# Altium PCB DIO-BNC.PCBDOC (part 3 of 3)
Units mil, origin at the board's own origin, x right, y up, seen from the top; angles counter-clockwise.
Board outline 2496.06 x 3937 mil, 4 copper layers (TopLayer, Internal Plane 2, Internal Plane 1, BottomLayer), stack 65.476 mil thick; 196 components, 123 nets, 666 pads, 397 vias.
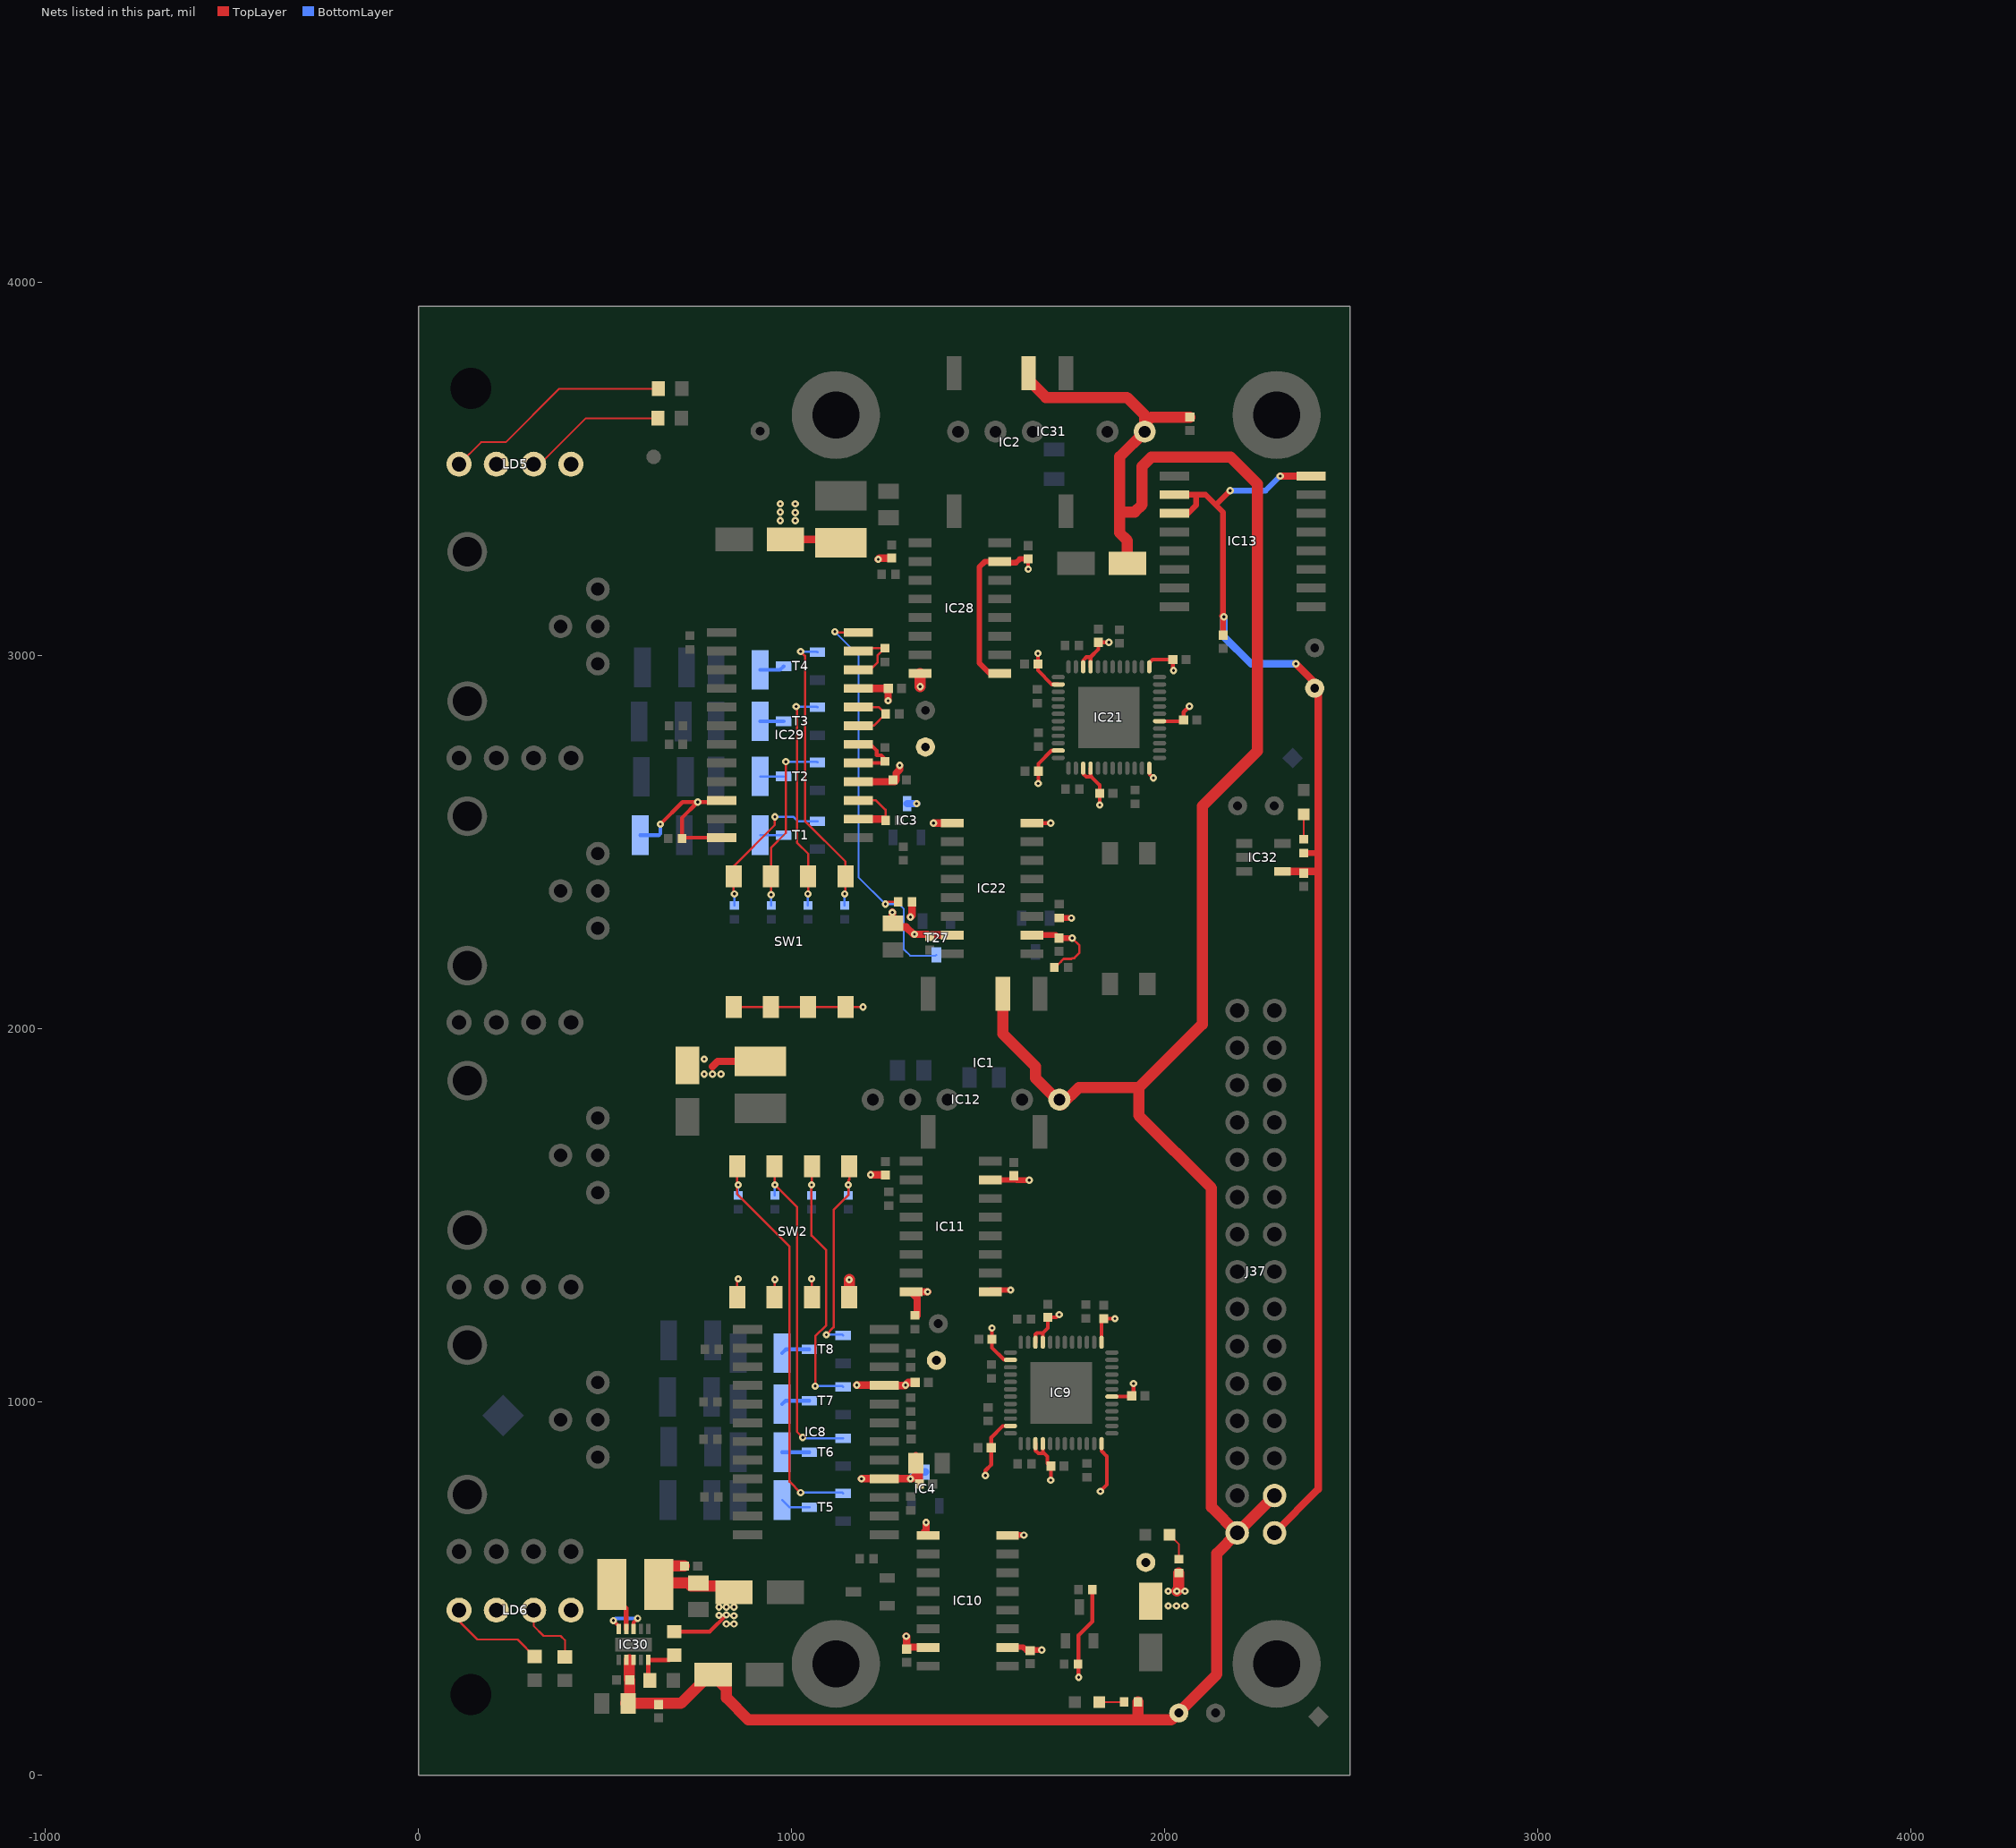
[diagram p5: the nets of this part, all layers, seen from the top]

## Via types
v1: diameter 19.68, hole 7.87, TopLayer to BottomLayer, tented both sides, 366 vias
v2: diameter 23.62, hole 11.81, TopLayer to BottomLayer, tented both sides, 31 vias

## Nets (pads, with @x,y where several pads share a name; then routed paths per layer and width w, separated by ;. In a path a pad name is that pad's centre, name@x,y a point inside that pad or via, vN(x,y) a via of type N, cw(c..) or ccw(c..) an arc to the next point about the centre after c; other vN are vias at no path point) (continued)
NetIC29_10: IC29.10 IC29.12 R13.2 R140.2 | length 493.7
  TopLayer w10: v1(648,2549) 707.27,2608.27 v1(748.03,2608.27) ; IC29.12@812.29,2512.89 707.87,2512.89 R140.2@705.87,2510.89 705.87,2566.1 v1(748.03,2608.27) ; IC29.10@812.29,2612.89 807.67,2608.27 v1(748.03,2608.27)
  BottomLayer w10: R13.2@593.94,2519.68 643.69,2519.68 648,2524 v1(648,2549)
NetIC29_14: IC29.14 IC29.15 R26.1 | length 193.1
  TopLayer w6: IC29.15@1183.43,2617.89 IC29.15@1178.43,2612.89 1225.69,2612.89 1251.18,2587.4 R26.1@1251.18,2559.06
  TopLayer w20: IC29.14@1178.43,2562.89 1247.35,2562.89 R26.1@1251.18,2559.06
NetIC29_17: IC29.17 IC29.18 R27.1 | length 174.9
  TopLayer w10: IC29.17@1178.43,2712.89 1245.17,2712.89 R27.1@1250,2717.72 1250,2723.86 1240.55,2733.31 1227.8,2733.31 1227.8,2746.06 1210.97,2762.89 IC29.18@1178.43,2762.89
NetIC29_19: IC29.19 IC29.20 R28.1 | length 169
  TopLayer w6: IC29.20@1178.43,2862.89 1232.78,2862.89 R28.1@1251.18,2844.49 1219.58,2812.89 IC29.19@1178.43,2812.89 IC29.19@1180.43,2814.89
NetIC29_22: IC29.22 IC29.23 R29.1 | length 180.4
  TopLayer w6: IC29.22@1178.43,2962.89 1210.4,2962.89 1229.8,2982.28 1229.8,3000.98 R29.1@1249.29,3020.47 ; IC29.23@1178.43,3012.89 1201.87,3012.89 1209.45,3020.47 R29.1@1249.29,3020.47 ; R29.1@1250,3020.47 R29.1@1249.29,3020.47
NetIC29_24: IC29.24 R150.1 T27.3 | length 1145.4
  TopLayer w5: v1(1115.36,3064.89) 1117.36,3062.89 IC29.24@1178.43,3062.89 ; v1(1251,2335) 1257,2341 R150.1@1285.5,2341
  BottomLayer w5: v1(1115.36,3064.89) 1178.92,3001.33 1178.92,2407.08 v1(1251,2335) 1287.05,2335 1300.66,2321.39 1300.66,2213.12 1317.12,2196.66 1385.63,2196.66 T27.3@1387.8,2198.82
NetIC30_5: IC30.5 R167.1 R173.2 | length 131.3
  TopLayer w12: R173.2@619.5,255 615.37,259.13 IC30.5@615.37,309.66 672.16,309.66 R167.1@685,322.5
NetIC30_9: IC30.9 L1.1 | length 89.6
  TopLayer w13: L1.1@523.01,450 553.94,450 556.31,447.62 IC30.9@556.31,392.34
NetLD4_2: LD4.2 R6.1 | length 67.1
  TopLayer w5: LD4.2@1823.82,196.85 R6.1@1890.94,196.85
NetLD5_1: LD5.1 R134.1 | length 618
  TopLayer w5: LD5.1@108.27,3513.78 167.32,3572.83 233.83,3572.83 377,3716 R134.1@642.5,3716
NetLD5_3: LD5.3 R135.1 | length 384.3
  TopLayer w5: LD5.3@308.27,3513.78 324.8,3513.78 448.02,3637 R135.1@641.5,3637
NetLD6_1: LD6.1 R153.1 | length 271.6
  TopLayer w5: LD6.1@108.27,442.91 108.27,413.39 157.48,364.17 265.32,364.17 R153.1@311,318.5
NetLD6_3: LD6.3 R154.1 | length 186.8
  TopLayer w5: LD6.3@308.27,442.91 308.27,400.61 334.86,374.02 380.46,374.02 392,362.47 R154.1@392,317.5
NetLD7_2: LD7.2 R8.2 | length 75.5
  TopLayer w5: LD7.2@2012.56,644.76 2037.4,619.92 R8.2@2037.4,579.53
NetLD9_2: LD9.2 R10.2 | length 67.1
  TopLayer w5: R10.2@2372.05,2508.66 LD9.2@2372.05,2575.79
NetR139_1: R139.1 T1.3 | length 63
  BottomLayer w6: R139.1@915.35,2519.68 T1.3@978.35,2519.68
NetR142_1: R142.1 T2.3 | length 63
  BottomLayer w6: R142.1@915.35,2677.17 T2.3@978.35,2677.17
NetR145_1: R145.1 T3.3 | length 63
  BottomLayer w10: R145.1@915.35,2824.8 T3.3@978.35,2824.8
NetR148_1: R148.1 T4.3 | length 67.1
  BottomLayer w10: R148.1@915.35,2962.6 968.5,2962.6 T4.3@978.35,2972.44
NetR158_1: R158.1 T5.3 | length 81
  BottomLayer w6: R158.1@974.41,738.19 994.09,718.5 T5.3@1047.24,718.5
NetR161_1: R161.1 T6.3 | length 72.8
  BottomLayer w10: R161.1@974.41,866.14 T6.3@1047.24,866.14
NetR164_1: R164.1 T7.3 | length 76.5
  BottomLayer w10: R164.1@974.41,995 983.35,1003.94 T7.3@1047.24,1003.94
NetR168_1: R168.1 T8.3 | length 76.9
  BottomLayer w10: R168.1@974.41,1131.89 984.25,1141.73 T8.3@1047.24,1141.73
P3V3: B5.1 C14.2 C15.2 C16.2 C17.2 C18.1 C19.2 C20.2 C21.2 C22.2 C23.2 C24.2 C53.2 C54.2 C55.2 C56.2 C69.2 C70.2 C71.1 C72.2 C73.2 IC9.2 IC9.11 IC9.15 IC9.16 IC9.24 IC9.30 IC9.37 IC9.45 IC9.46 IC10.10 IC10.16 IC11.1 IC11.7 IC21.2 IC21.11 IC21.15 IC21.16 IC21.24 IC21.30 IC21.37 IC21.45 IC21.46 IC22.10 IC22.16 IC28.1 IC28.7 IC30.8 IC30.10 L1.2 LD5.2 LD5.4 LD6.2 LD6.4 R8.1 R136.2 R137.2 R155.2 R156.2 R167.2 | length 3665.1
  TopLayer w6: R137.2@1703.94,2165.35 1706.68,2165.35 1721.53,2180.2 1721.53,2180.87 1728.73,2188.08 1749.61,2188.08 1751.97,2190.44 1757.11,2190.44 1771.39,2204.72 1771.39,2224.04 v1(1751.72,2243.72)
  TopLayer w10: v1(522,415) 536.63,400.37 IC30.10@536.63,392.34 ; IC30.8@576,392.34 576,410 v1(587,421) ; R167.2@685,385.5 780.5,385.5 v1(825,430) ; v1(1519.16,804) 1519.16,816.84 1519,817 1534.72,832.72 C69.2@1534.72,878 1534.72,905.72 1565.42,936.42 IC9.11@1586.17,936.42 ; v1(1536.72,1198.72) C70.2@1536.72,1169 1536.72,1146.28 1569.42,1113.58 IC9.2@1586.17,1113.58 ; v1(1633.86,3232.56) C53.2@1633.86,3259.84 ; IC22.16@1643.3,2552 v1(1694,2552) ; IC9.15@1653.1,889.17 1653.1,870.9 1661,863 1677,863 ; IC9.46@1653.1,1160.83 1653.1,1182.1 1656.79,1185.79 1672.79,1185.79 ; v1(1659.72,3006.72) C14.2@1659.72,2978 1659.72,2961.28 1697.42,2923.58 IC21.2@1714.17,2923.58 ; v1(1660.72,2658.28) C15.2@1660.72,2691 1660.72,2710.72 1696.42,2746.42 IC21.11@1714.17,2746.42 ; IC9.16@1672.79,889.17 1672.79,867.21 1677,863 ; IC9.45@1672.79,1160.83 1672.79,1185.79 ; C24.2@1685,836 1685,855 1677,863 ; v1(1694.28,791.28) C24.2@1694.28,829 ; v1(1717,1235) 1709.28,1227.28 C72.2@1686,1227.28 1686,1199 1672.79,1185.79 ; v1(1769,263) 1768.5,263.5 1768.5,375.5 1805.5,412.5 R155.2@1805.5,498 ; IC21.15@1781.1,2699.17 1781.1,2683.9 1789,2676 1803,2676 ; IC21.46@1781.1,2970.83 1781.1,2988.1 1789.79,2996.79 1800.79,2996.79 ; IC21.16@1800.79,2699.17 1800.79,2678.21 1803,2676 ; IC21.45@1800.79,2970.83 1800.79,2996.79 ; v1(1825.28,2600.72) C54.2@1825.28,2632 1825.28,2653.72 1803,2676 ; v1(1827,761) 1844.84,778.84 1844.84,855.16 1830.27,869.73 IC9.24@1830.27,889.17 ; IC9.37@1830.27,1160.83 1830.27,1218.55 C20.2@1836,1224.28 v1@1860.28,1224.28 ; v1(1849.72,3036.28) C55.2@1822,3036.28 1822,3018 1800.79,2996.79 ; IC9.30@1857.83,1015.16 1909.44,1015.16 C23.2@1911.28,1017 1911,1017.28 1916,1022.28 v1(1916,1050) ; IC21.24@1958.27,2699.17 1958.27,2683.73 v1(1969,2673) ; IC21.37@1958.27,2981 1967.27,2990 C19.2@2021.28,2990 2021.28,2962.72 v1(2023,2961) ; IC21.30@1985.83,2825.16 2047.44,2825.16 C56.2@2050.28,2828 2050.28,2849.28 v1(2066,2865)
  TopLayer w15: IC11.1@1532.3,1301 v1(1587,1301) ; IC11.7@1532.3,1596 1602.28,1596 1603,1595.28 v1(1636.72,1595.28) ; IC28.7@1553.16,3249.56 1600.86,3249.56 1611.14,3259.84 C53.2@1633.86,3259.84 ; IC28.1@1556.87,2952.83 1530.57,2952.83 1502.57,2980.83 1502.57,3237.83 1517.57,3252.83 IC28.7@1556.87,3252.83 ; IC10.10@1560.3,344 1619.72,344 1629,334.72 C22.2@1639,334.72 1640.28,336 v1(1670,336) ; IC10.16@1560.3,644 v1(1622,644) ; IC22.10@1643.3,2252 1707.72,2252 C16.2@1716,2243.72 v1(1751.72,2243.72) ; R136.2@1717,2297.5 v1(1749.5,2297.5)
  TopLayer w30: L1.2@643.7,511.81 647.32,515.43 C73.2@749.69,515.43 ; L1.2@659.45,561.02 C21.2@712.6,561.02 ; C73.2@730,508 C71.1@825.1,508 ; v1(2032,494) 2037.4,499.4 R8.1@2037.4,542.52
  BottomLayer w10: v1(522,415) 528,421 v1(587,421)
  other v1: 825,406 845,406 845,428 805,429 805,451 825,451 845,451 2009,454 2031,454 2054,454 2009,494 2054,494 1866,1224
P3V3_MP: B3.1 C37.2 C38.2 IC13.2 IC13.3 IC13.16 IC32.4 J37.30 R10.1 | length 3680.2
  TopLayer w15: IC13.3@2025.93,3382 2062,3382 2084,3404 2084,3432 ; IC13.2@2025.93,3432 2084,3432 ; C38.2@2156,3055.72 2156,3107 2156,3385 2136.5,3404.5 ; v1(2175,3443) 2136.5,3404.5 ; R10.1@2372.05,2471.65 2409.82,2471.65 2411,2470.47 ; 2084,3432 2109,3432 2136.5,3404.5
  TopLayer w20: v1@2156,3107 v1(2158,3105) ; J37.30@2294,650 2411,767 2411,2418 ; v1(2309,3482) IC13.16@2392.07,3482 ; IC32.4@2315.18,2422.6 2406.4,2422.6 2411,2418 ; v1(2351,2979) 2411,2919 2411,2470.47 2411,2418
  BottomLayer w15: v1(2175,3443) 2270,3443 v1(2309,3482)
  BottomLayer w20: v1(2158,3105) 2158,3052 2231,2979 v1(2351,2979)
P5V0_ISO1: B9.1 C2.2 C48.2 C49.2 C50.2 C51.2 C52.1 IC3.3 IC22.1 IC22.7 IC28.16 IC29.16 IC29.21 L2.1 R150.2 SW1.1 SW1.2 SW1.3 SW1.4 | length 1163.5
  TopLayer w6: SW1.1@844.09,2059.06 SW1.2@944.09,2059.06 SW1.3@1044.09,2059.06 v1(1190.94,2059.06)
  TopLayer w20: C52.1@983.16,3312.32 1122.72,3312.32 L2.1@1131.89,3303.15 ; IC29.16@1178.43,2662.89 1275.65,2662.89 1279.88,2667.13 1279.88,2685.74 1289.37,2695.23 v1(1289.37,2706.69) ; IC29.21@1180.43,2912.89 C49.2@1258.65,2912.89 1258.36,2912.61 v1(1258.36,2879.89) ; v1(1231.57,3258.83) 1234.86,3262.12 C51.2@1267.57,3262.12 ; v1(1269.69,2312.99) 1269.69,2273.62 1306.38,2273.62 1326.07,2253.93 v1(1328.74,2253.93) 1363.78,2253.93 C48.2@1370,2247.72 1374.28,2252 IC22.7@1430.7,2252 ; v1@1317,2301 v1(1318,2300) 1322.5,2304.5 R150.2@1322.5,2341 ; v1(1380,2552) IC22.1@1430.7,2552
  TopLayer w30: v1(1344.28,2917.54) IC28.16@1344.28,2952.83
  BottomLayer w20: IC3.3@1309.06,2604.33 v1(1334.65,2604.33)
  other v1: 969.26,3362.32 1009.26,3362.32 1009.26,3384.32 969.26,3385.32 969.26,3407.32 1009.26,3407.32
P5V0_ISO2: B11.1 C3.2 C28.2 C29.2 C30.2 C31.2 C32.1 IC4.3 IC8.16 IC8.21 IC10.1 IC10.7 IC11.16 L3.1 R172.2 SW2.1 SW2.2 SW2.3 SW2.4 | length 1046
  TopLayer w6: SW2.1@853.94,1281.5 853.94,1328.35 v1(856.3,1330.71) ; SW2.2@953.94,1281.5 953.94,1327.95 v1(954.72,1328.74) ; v1(1053.15,1330.71) 1053.94,1329.92 SW2.3@1053.94,1281.5
  TopLayer w20: 787.4,1899.61 801.18,1913.39 L3.1@915.35,1913.39 ; v1(1174.06,1045.94) 1247.13,1045.94 IC8.21@1248.07,1045 1304,1045 v1(1305,1046) 1312.15,1053.15 C30.2@1330.71,1053.15 ; v1(1187,795) IC8.16@1248.07,795 v1(1318,795) ; v1(1211.28,1609.28) C31.2@1251,1609.28 ; v1(1307,373) 1308,372 C28.2@1308,344 ; C28.2@1308,338.72 C28.2@1308,344 ; v1@1322,795 1332.68,805.68 C3.2@1332.68,836.61 ; C3.2@1332.68,856.3 1342.28,846.69 1342.28,795 ; R172.2@1336,1232.5 1336,1279.7 IC11.16@1319.7,1296 v1(1364,1296) ; IC10.7@1347.7,344 C28.2@1308,344 ; IC10.1@1347.7,644 1360,656.3 v1(1360,678)
  TopLayer w30: SW2.4@1153.94,1281.5 v1(1153.94,1328.35)
  BottomLayer w20: v1(1318,795) 1335.99,812.99 IC4.3@1358.27,812.99
  other v1: 765.58,1879.41 787.58,1879.41 810.58,1879.41 765.58,1919.41
P12V0: B6.1 C33.2 C34.1 C35.2 C36.1 C74.2 C75.2 IC1.3 IC2.3 IC12.1 IC30.2 IC30.3 IC31.1 J37.28 J37.29 R6.2 | length 7533.4
  TopLayer w30: C75.2@555.43,193 C75.2@559.43,189 ; C74.2@565,257.28 565,310 ; C74.2@565.72,256 565.72,197.28 C75.2@561.43,193 703,193 784,274 825.1,232.9 825.1,207.9 884,149 1929.13,149 ; IC1.3@1565.75,2094.49 1565.75,1987.4 1653.54,1899.61 1653.54,1868.46 IC12.1@1717.32,1804.68 ; IC2.3@1634.65,3768.57 IC2.3@1634.65,3757.87 1634.65,3739.37 1681.42,3692.6 1897.95,3692.6 1946,3644.55 IC31.1@1946,3622.05 ; IC12.1@1724,1798 1769.1,1843.1 1930.1,1843.1 ; C36.1@1899.61,3248.03 1899.61,3309.06 1878.72,3329.94 1878.72,3385.83 ; R6.2@1927.95,196.85 1927.95,150.18 1929.13,149 ; C33.2@2066.93,3639.76 1963.72,3639.76 IC31.1@1946,3622.05 ; J37.28@2294,750 J37.29@2194,650 ; 1878.72,3385.83 1878.72,3533.72 IC31.1@1946,3601 IC31.1@1946,3622.05 ; 1878.72,3385.83 1919.29,3385.83 1939,3405.54 1939,3508 1964,3533 2176,3533 2248,3461 2248,2745 2100,2597 2100,2013 1930.1,1843.1 ; 1929.13,149 2017,149 2139,271 2139,595 J37.29@2194,650 ; 1930.1,1843.1 1930.1,1768.9 2125,1574 2125,719 J37.29@2194,650
TERM_IO0: R1.1 SW1.8 T1.1 | length 403.3
  TopLayer w6: v1(846.46,2362.2) 844.09,2364.57 SW1.8@844.09,2409.45 844.09,2436.61 954.72,2547.24 v1(954.72,2568.9)
  BottomLayer w6: R1.1@846.46,2331.5 v1(846.46,2362.2) ; v1(954.72,2568.9) 1003.94,2568.9 1015.75,2557.09 T1.1@1068.9,2557.09
TERM_IO1: R2.1 SW1.7 T2.1 | length 487.5
  TopLayer w6: v1(944.88,2360.24) 944.09,2361.02 SW1.7@944.09,2409.45 944.09,2485.43 984.25,2525.59 v1(984.25,2716.54)
  BottomLayer w6: R2.1@944.88,2331.5 v1(944.88,2360.24) ; v1(984.25,2716.54) 1066.93,2716.54 T2.1@1068.9,2714.57
TERM_IO2: R3.1 SW1.6 T3.1 | length 604.3
  TopLayer w6: v1(1011.81,2864.17) 1013.78,2862.2 1013.78,2500 1044.09,2469.68 SW1.6@1044.09,2409.45 1044.09,2362.99 v1(1043.31,2362.2)
  BottomLayer w6: v1(1011.81,2864.17) 1066.93,2864.17 T3.1@1068.9,2862.2 ; R3.1@1043.31,2331.5 v1(1043.31,2362.2)
TERM_IO3: R4.1 SW1.5 T4.1 | length 777.3
  TopLayer w6: v1(1023.62,3011.81) 1035.43,3000 1035.43,2557.57 1144.09,2448.91 SW1.5@1144.09,2409.45 1144.09,2364.57 v1(1141.73,2362.2)
  BottomLayer w6: v1(1023.62,3011.81) 1066.93,3011.81 T4.1@1068.9,3009.84 ; R4.1@1141.73,2331.5 v1(1141.73,2362.2)
TERM_IO4: R5.1 SW2.8 T5.1 | length 1088
  TopLayer w6: SW2.8@853.94,1631.89 853.94,1557.48 994.09,1417.32 994.09,787.4 v1(1023.62,757.87)
  BottomLayer w6: R5.1@856.3,1553.94 v1(856.3,1582.68) ; v1(1023.62,757.87) 1135.83,757.87 T5.1@1137.8,755.91
TERM_IO5: R7.1 SW2.7 T6.1 | length 895.5
  TopLayer w6: SW2.7@953.94,1631.89 953.94,1583.46 v1(954.72,1582.68) 1013.78,1523.62 1013.78,921.26 v1(1029.53,905.51)
  BottomLayer w6: R7.1@954.72,1553.94 v1(954.72,1582.68) ; v1(1029.53,905.51) 1031.5,903.54 T6.1@1137.8,903.54
TERM_IO6: R9.1 SW2.6 T7.1 | length 721.8
  TopLayer w6: SW2.6@1053.94,1631.89 1053.94,1583.46 v1(1053.15,1582.68) 1053.15,1446.85 1092.52,1407.48 1092.52,1206.34 1062.99,1176.81 v1(1062.99,1043.31)
  BottomLayer w6: R9.1@1053.15,1553.94 v1(1053.15,1582.68) ; v1(1062.99,1043.31) 1135.83,1043.31 T7.1@1137.8,1041.34
TERM_IO7: R11.1 SW2.5 T8.1 | length 551.1
  TopLayer w6: v1(1092.52,1181.1) 1112.2,1200.79 1112.2,1515.75 1151.57,1555.12 v1(1151.57,1582.68) 1151.57,1594.49 1153.94,1596.85 SW2.5@1153.94,1631.89
  BottomLayer w6: v1(1092.52,1181.1) 1135.83,1181.1 T8.1@1137.8,1179.13 ; R11.1@1151.57,1553.94 v1(1151.57,1582.68)
pads on no net: FTG17.FTG2 FTG18.1 FTG19.1 FTG20.1 IC1.14 IC2.14 IC9.17 IC9.44 IC11.6 IC12.5 IC13.13 IC21.17 IC21.44 IC28.6 IC30.4 IC30.7 IC31.5 IC32.5 J1.6 J1.7 J2.6 J2.7 J3.6 J3.7 J4.6 J4.7
copper on no net: | length 105350.3
  TopLayer w1: 2848,3523.86 2887.68,3484.17 ; 2848,3583.86 2947.68,3484.17 ; 2848,3643.86 2968,3523.86 3007.68,3484.17 ; 2848,3703.86 2968,3583.86 3067.68,3484.17 ; 2848,3763.86 2968,3643.86 3088,3523.86 3127.68,3484.17 ; 2848,3823.86 2968,3703.86 3088,3583.86 3187.68,3484.17 ; 2848,3883.86 2968,3763.86 3088,3643.86 3208,3523.86 3247.68,3484.17 ; 2848,3943.86 2968,3823.86 3088,3703.86 3208,3583.86 3307.68,3484.17 ; 2848,4003.86 2968,3883.86 3088,3763.86 3208,3643.86 3328,3523.86 3367.68,3484.17 ; 2848,4063.86 2968,3943.86 3088,3823.86 3208,3703.86 3328,3583.86 3427.68,3484.17 ; 2848,4123.86 2968,4003.86 3088,3883.86 3208,3763.86 3328,3643.86 3448,3523.86 3487.68,3484.17 ; 2848,4183.86 2968,4063.86 3088,3943.86 3208,3823.86 3328,3703.86 3448,3583.86 3547.68,3484.17 ; 2848,4243.86 2968,4123.86 3088,4003.86 3208,3883.86 3328,3763.86 3448,3643.86 3568,3523.86 3607.68,3484.17 ; 2848,4303.86 2968,4183.86 3088,4063.86 3208,3943.86 3328,3823.86 3448,3703.86 3568,3583.86 3667.68,3484.17 ; 2848,4363.86 2968,4243.86 3088,4123.86 3208,4003.86 3328,3883.86 3448,3763.86 3568,3643.86 3688,3523.86 3727.68,3484.17 ; 2848,4423.86 2968,4303.86 3088,4183.86 3208,4063.86 3328,3943.86 3448,3823.86 3568,3703.86 3688,3583.86 3787.68,3484.17 ; 2848,4483.86 2968,4363.86 3088,4243.86 3208,4123.86 3328,4003.86 3448,3883.86 3568,3763.86 3688,3643.86 3808,3523.86 3847.68,3484.17 ; 2848,4543.86 2968,4423.86 3088,4303.86 3208,4183.86 3328,4063.86 3448,3943.86 3568,3823.86 3688,3703.86 3808,3583.86 3907.68,3484.17 ; 2848,4603.86 2968,4483.86 3088,4363.86 3208,4243.86 3328,4123.86 3448,4003.86 3568,3883.86 3688,3763.86 3808,3643.86 3928,3523.86 3967.68,3484.17 ; 2908,4603.86 2968,4543.86 3088,4423.86 3208,4303.86 3328,4183.86 3448,4063.86 3568,3943.86 3688,3823.86 3808,3703.86 3928,3583.86 4027.68,3484.17 ; 2968,4603.86 3088,4483.86 3208,4363.86 3328,4243.86 3448,4123.86 3568,4003.86 3688,3883.86 3808,3763.86 3928,3643.86 4048,3523.86 4087.68,3484.17 ; 3028,4603.86 3088,4543.86 3208,4423.86 3328,4303.86 3448,4183.86 3568,4063.86 3688,3943.86 3808,3823.86 3928,3703.86 4048,3583.86 4147.68,3484.17 ; 3088,4603.86 3208,4483.86 3328,4363.86 3448,4243.86 3568,4123.86 3688,4003.86 3808,3883.86 3928,3763.86 4048,3643.86 4168,3523.86 ; 3148,4603.86 3208,4543.86 3328,4423.86 3448,4303.86 3568,4183.86 3688,4063.86 3808,3943.86 3928,3823.86 4048,3703.86 4168,3583.86 ; 3208,4603.86 3328,4483.86 3448,4363.86 3568,4243.86 3688,4123.86 3808,4003.86 3928,3883.86 4048,3763.86 4168,3643.86 ; 3268,4603.86 3328,4543.86 3448,4423.86 3568,4303.86 3688,4183.86 3808,4063.86 3928,3943.86 4048,3823.86 4168,3703.86 ; 3328,4603.86 3448,4483.86 3568,4363.86 3688,4243.86 3808,4123.86 3928,4003.86 4048,3883.86 4168,3763.86 ; 3388,4603.86 3448,4543.86 3568,4423.86 3688,4303.86 3808,4183.86 3928,4063.86 4048,3943.86 4168,3823.86 ; 3448,4603.86 3568,4483.86 3688,4363.86 3808,4243.86 3928,4123.86 4048,4003.86 4168,3883.86 ; 3508,4603.86 3568,4543.86 3688,4423.86 3808,4303.86 3928,4183.86 4048,4063.86 4168,3943.86 ; 3568,4603.86 3688,4483.86 3808,4363.86 3928,4243.86 4048,4123.86 4168,4003.86 ; 3628,4603.86 3688,4543.86 3808,4423.86 3928,4303.86 4048,4183.86 4168,4063.86 ; 3688,4603.86 3808,4483.86 3928,4363.86 4048,4243.86 4168,4123.86 ; 3748,4603.86 3808,4543.86 3928,4423.86 4048,4303.86 4168,4183.86 ; 3808,4603.86 3928,4483.86 4048,4363.86 4168,4243.86 ; 3868,4603.86 3928,4543.86 4048,4423.86 4168,4303.86 ; 3928,4603.86 4048,4483.86 4168,4363.86 ; 3988,4603.86 4048,4543.86 4168,4423.86 ; 4048,4603.86 4168,4483.86 ; 4108,4603.86 4168,4543.86
  TopLayer w15: 2728,365 4168,365 ; 2728,1404.71 4168,1404.71 ; 2728,2264.48 4168,2264.48 ; 2728,2914.31 4168,2914.31 ; 2728,3484.17 4168,3484.17 ; 2848,-44.91 2848,4603.86 ; 2968,-44.91 2968,365 2968,1404.71 2968,2264.48 2968,2914.31 2968,3484.17 2968,4603.86 ; 3088,-44.91 3088,365 3088,1404.71 3088,2264.48 3088,2914.31 3088,3484.17 3088,4603.86 ; 3208,-44.91 3208,365 3208,1404.71 3208,2264.48 3208,2914.31 3208,3484.17 3208,4603.86 ; 3328,-44.91 3328,365 3328,1404.71 3328,2264.48 3328,2914.31 3328,3484.17 3328,4603.86 ; 3448,-44.91 3448,365 3448,1404.71 3448,2264.48 3448,2914.31 3448,3484.17 3448,4603.86 ; 3568,-44.91 3568,365 3568,1404.71 3568,2264.48 3568,2914.31 3568,3484.17 3568,4603.86 ; 3688,-44.91 3688,365 3688,1404.71 3688,2264.48 3688,2914.31 3688,3484.17 3688,4603.86 ; 3808,-44.91 3808,365 3808,1404.71 3808,2264.48 3808,2914.31 3808,3484.17 3808,4603.86 ; 3928,-44.91 3928,365 3928,1404.71 3928,2264.48 3928,2914.31 3928,3484.17 3928,4603.86 ; 4048,-44.91 4048,365 4048,1404.71 4048,2264.48 4048,2914.31 4048,3484.17 4048,4603.86 ; 4168,365 4168,1404.71 ; 4168,365 4168,-44.91 2728,-44.91 2728,4603.86 4168,4603.86 4168,3484.17 ; 4168,1404.71 4168,2264.48 ; 4168,2264.48 4168,2914.31 ; 4168,2914.31 4168,3484.17

## Polygon pours and split planes (outlines as drawn)
GND_ISO2 on TopLayer "MidLayer1-No Net" (solid, remove dead copper, pour order 10): 63,1924 1429.72,1924 1429.72,1729.72 1405,1705 1405,252 1297,252 1297,389 1018,668 63,668
GND on TopLayer "MidLayer1-No Net" (solid, remove dead copper, pour order 14): 1537,1987 1537,3426 1609,3498 1758,3498 1758,3818 2456.69,3818 2456.69,119 240,119 240,319 70,319 70,521.65 531.5,521.65 974.41,521.65 1237,281.96 1237,210 1255,192 1447,192 1465,210 1465,1664.98 1537,1720.98
GND on TopLayer "TopLayer-No Net" (solid, remove dead copper, pour order 26): 1289.37,3809.06 1005.31,3525 739,3525 614,3400 70,3400 70,3615 245,3615 245,3815 1793,3815 1793,3717 1758,3717 1758,3736 1684.94,3809.05
GND_ISO1 on TopLayer "TopLayer-No Net" (solid, remove dead copper, pour order 18): 764,3465 1194,3465 1364.53,3635.53 1673.23,3635.53 1673.23,3558 1584,3558 1417.32,3391.32 1417.32,2194.88 1194,2194.88 1194,2029 73,2029 73,3340 639,3340
GND on BottomLayer "GND_L04_P016" (solid, remove dead copper, pour order 16): 1465,1671.69 1537,1743.69 1537,3426 1609,3498 1758,3498 1758,3818 2456.69,3818 2456.69,119 240,119 240,319 70,319 70,521.65 642.72,521.65 680.35,610.24 895.67,610.24 1237,268.91 1237,210 1255,192 1447,192 1465,210
GND on BottomLayer "TopLayer-No Net" (solid, pour order 24): 1407,3762 1170,3525 739,3525 614,3400 70,3400 70,3615 245,3615 245,3815 1793,3815 1793,3717 1758,3717 1758,3736 1732,3762
GND_ISO1 on BottomLayer "TopLayer-No Net" (solid, remove dead copper, pour order 22): 764,3465 1194,3465 1380.57,3651.57 1683.07,3651.57 1683.07,3553.15 1579.15,3553.15 1414.87,3388.87 1414.87,2198.82 1194,2198.82 1194,2029 73,2029 73,3340 639,3340
GND_ISO2 on BottomLayer "MidLayer1-No Net" (solid, remove dead copper, pour order 12): 63,1924 1308.64,1924 1427.17,1924 1427.17,1742.13 1405,1705 1405,252 1297,252 1297,389 1018,668 63,668
P5V0_ISO1 on Internal Plane 2 (split plane): 1698.38,3557.62 1589.02,3557.62 1584.39,3557.25 1580.75,3556.38 1579.87,3556.17 1578.61,3555.65 1575.58,3554.39 1573.12,3552.88 1571.61,3551.96 1568.08,3548.94 1425.91,3406.77 1422.89,3403.24 1420.46,3399.27 1419.2,3396.24 1418.68,3394.98 1417.6,3390.46 1417.23,3385.83 1417.23,2608.27 1417.6,2603.63 1418.68,2599.11 1419.2,2597.86 1420.46,2594.82 1422.89,2590.86 1425.91,2587.32 1477.38,2535.85 1477.38,2028.62 72.62,2028.62 72.62,3292 72.62,3340.38 627,3340.38 631.63,3340.75 636.15,3341.83 637.41,3342.35 640.45,3343.61 644.41,3346.04 647.94,3349.06 764.27,3465.38 1182,3465.38 1186.63,3465.75 1191.15,3466.83 1192.41,3467.35 1195.45,3468.61 1199.41,3471.04 1202.94,3474.06 1431.27,3702.38 1698.38,3702.38
P5V0_ISO2 on Internal Plane 2 (split plane): 1456.6,1757.49 1414.06,1714.94 1413.8,1714.64 1413.51,1714.38 1412.29,1712.88 1411.04,1711.41 1410.83,1711.07 1410.58,1710.77 1409.62,1709.09 1408.61,1707.45 1408.46,1707.08 1408.26,1706.74 1407.57,1704.94 1406.83,1703.15 1406.74,1702.77 1406.6,1702.4 1406.2,1700.51 1405.75,1698.63 1405.71,1698.24 1405.63,1697.85 1405.53,1695.93 1405.38,1694 1405.41,1693.61 1405.39,1693.21 1415.22,1323.92 1415.22,714.38 1405.97,251.62 1296.62,251.62 1296.62,377 1296.25,381.63 1295.17,386.15 1293.39,390.45 1290.96,394.41 1287.94,397.94 1026.94,658.94 1023.41,661.96 1019.45,664.39 1016.41,665.65 1015.15,666.17 1010.63,667.25 1006,667.62 61.62,667.62 61.62,1924.38 1456.6,1924.38
P3V3 on Internal Plane 2 (split plane): 157 vertices, not listed, extent 20.1,20.1 2475.97,3916.9
GND_ISO1 on Internal Plane 1 (split plane): 1698.38,3557.62 1584.73,3557.62 1580.1,3557.25 1575.58,3556.17 1573.43,3555.28 1571.29,3554.39 1567.32,3551.96 1563.79,3548.94 1423.54,3408.7 1420.53,3405.17 1418.1,3401.2 1416.84,3398.17 1416.32,3396.91 1415.23,3392.39 1414.87,3387.76 1414.87,3387.75 1414.87,2930.71 1414.87,2610.63 1415.23,2606 1416.32,2601.48 1416.84,2600.22 1418.1,2597.18 1420.53,2593.22 1423.54,2589.69 1477.38,2535.85 1477.38,2028.62 72.62,2028.62 72.62,3292 72.62,3340.38 627,3340.38 631.63,3340.75 636.15,3341.83 637.41,3342.35 640.45,3343.61 644.41,3346.04 647.94,3349.06 764.27,3465.38 1182,3465.38 1186.63,3465.75 1191.15,3466.83 1192.41,3467.35 1195.45,3468.61 1199.41,3471.04 1202.94,3474.06 1431.27,3702.38 1698.38,3702.38
GND_ISO2 on Internal Plane 1 (split plane): 1456.6,1757.49 1414.06,1714.94 1411.04,1711.41 1408.61,1707.45 1407.35,1704.41 1406.83,1703.15 1405.75,1698.63 1405.38,1694 1405.38,1324.31 1405.38,714.08 1405.38,251.62 1296.62,251.62 1296.62,377 1296.25,381.63 1295.17,386.15 1293.39,390.45 1290.96,394.41 1287.94,397.94 1026.94,658.94 1023.41,661.96 1019.45,664.39 1016.41,665.65 1015.15,666.17 1010.63,667.25 1006,667.62 61.62,667.62 61.62,1924.38 1456.6,1924.38
GND on Internal Plane 1 (split plane): 2475.97,20.1 20.1,20.1 20.1,610.97 22.85,609.83 27.37,608.75 32,608.38 993.73,608.38 1237.38,364.73 1237.38,222 1237.75,217.37 1238.83,212.85 1240.61,208.55 1243.04,204.59 1246.06,201.06 1249.59,198.04 1253.55,195.61 1257.85,193.83 1262.37,192.75 1267,192.38 1435,192.38 1439.63,192.75 1444.15,193.83 1448.45,195.61 1452.41,198.04 1455.94,201.06 1458.96,204.59 1461.39,208.55 1463.17,212.85 1464.25,217.37 1464.62,222 1464.62,714.08 1464.62,1324.31 1464.62,1681.73 1507.16,1724.28 1510.18,1727.81 1512.61,1731.77 1513.5,1733.92 1514.39,1736.07 1515.47,1740.59 1515.84,1745.22 1515.84,1954 1515.47,1958.63 1514.39,1963.15 1512.61,1967.45 1511.22,1969.71 1511.63,1969.75 1516.15,1970.83 1520.45,1972.61 1524.41,1975.04 1527.94,1978.06 1530.96,1981.59 1533.39,1985.55 1535.17,1989.85 1536.25,1994.37 1536.62,1999 1536.62,2548.12 1536.25,2552.75 1535.17,2557.27 1533.39,2561.56 1530.96,2565.53 1527.94,2569.06 1474.11,2622.9 1474.11,2930.71 1474.11,3375.49 1597,3498.38 1728,3498.38 1732.63,3498.75 1737.15,3499.83 1741.45,3501.61 1745.41,3504.04 1748.94,3507.06 1751.96,3510.59 1754.39,3514.55 1756.17,3518.85 1757.25,3523.37 1757.62,3528 1757.62,3724 1757.25,3728.63 1756.17,3733.15 1754.39,3737.45 1751.96,3741.41 1748.94,3744.94 1745.41,3747.96 1744.51,3748.51 1743.96,3749.41 1740.94,3752.94 1737.41,3755.96 1733.45,3758.39 1729.15,3760.17 1724.63,3761.25 1720,3761.62 1419,3761.62 1414.37,3761.25 1409.85,3760.17 1407.7,3759.28 1405.55,3758.39 1401.59,3755.96 1398.06,3752.94 1169.73,3524.62 752,3524.62 747.37,3524.25 742.85,3523.17 741.59,3522.65 738.55,3521.39 734.59,3518.96 731.06,3515.94 614.73,3399.62 43,3399.62 38.37,3399.25 33.85,3398.17 29.55,3396.39 25.59,3393.96 22.06,3390.94 20.1,3388.65 20.1,3916.9 2475.97,3916.9

## Keep-outs
KeepOutLayer:
  lines w8: 65,319 240,319 240,119 2456.69,119 2456.69,3819 240,3819 240,3619 65,3619 65,319

## Other copper
TopLayer:
  region net GND_ISO2: 768.15,1608.02 768.15,1735.98 675.58,1735.98 675.58,1608.02
  rectangle net GND: 603,334 641,368
  region net GND: 524,382 441,382 441,319 524,319
  rectangle net GND: 496,332 536,370
  rectangle net P5V0_ISO2: 738.58,1867.41 821.58,1930.41
  region net P5V0_ISO1: 1021.26,3335.32 1021.26,3418.32 958.26,3418.32 958.26,3335.32
  region net GND: 1828.94,3270.11 1828.94,3353.11 1765.94,3353.11 1765.94,3270.11
  region net GND: 1783,2000 1700,2000 1700,1937 1783,1937
  rectangle net GND: 1979,292 2062,355
  rectangle net P3V3: 1982,442 2065,505
  region net P3V3: 793,478 793,395 856,395 856,478
  region net GND: 956,288 956,371 893,371 893,288
  region net GND: 937,479 937,396 1000,396 1000,479
  rectangle net GND_ISO1: 679.13,3267.72 807.09,3356.3
  text "Board Layer Stack" at 2818,3544.17 h60 r90
  text "Constant" at 2818,2974.31 h60 r90
  text "3.5" at 3058,2974.31 h60 r90
  text "4.8" at 3298,2974.31 h60 r90
  text "4.2" at 3538,2974.31 h60 r90
  text "4.2" at 3778,2974.31 h60 r90
  text "3.5" at 4018,2974.31 h60 r90
  text "Thickness" at 2818,2324.48 h60 r90
  text "0.010mm" at 3058,2324.48 h60 r90
  text "0.036mm" at 3178,2324.48 h60 r90
  text "0.360mm" at 3298,2324.48 h60 r90
  text "0.036mm" at 3418,2324.48 h60 r90
  text "0.800mm" at 3538,2324.48 h60 r90
  text "0.036mm" at 3658,2324.48 h60 r90
  text "0.360mm" at 3778,2324.48 h60 r90
  text "0.036mm" at 3898,2324.48 h60 r90
  text "0.010mm" at 4018,2324.48 h60 r90
  text "Material" at 2818,1464.71 h60 r90
  text "Solder Resist" at 3058,1464.71 h60 r90
  text "Copper" at 3178,1464.71 h60 r90
  text "FR-4" at 3298,1464.71 h60 r90
  text "Copper" at 3418,1464.71 h60 r90
  text "Copper" at 3658,1464.71 h60 r90
  text "FR-4" at 3778,1464.71 h60 r90
  text "Copper" at 3898,1464.71 h60 r90
  text "Solder Resist" at 4018,1464.71 h60 r90
  text "Name" at 2818,425 h60 r90
  text "TopOverlay" at 2938,425 h60 r90
  text "TopSolder" at 3058,425 h60 r90
  text "TopLayer" at 3178,425 h60 r90
  text "Dielectric1" at 3298,425 h60 r90
  text "Internal Plane 2" at 3418,425 h60 r90
  text "Dielectric 3" at 3538,425 h60 r90
  text "Internal Plane 1" at 3658,425 h60 r90
  text "Dielectric2" at 3778,425 h60 r90
  text "BottomLayer" at 3898,425 h60 r90
  text "BottomSolder" at 4018,425 h60 r90
  text "BottomOverlay" at 4138,425 h60 r90
  text "Layer" at 2818,15.09 h60 r90
  text "1" at 2938,15.09 h60 r90
  text "2" at 3058,15.09 h60 r90
  text "3" at 3178,15.09 h60 r90
  text "4" at 3298,15.09 h60 r90
  text "5" at 3418,15.09 h60 r90
  text "6" at 3538,15.09 h60 r90
  text "7" at 3658,15.09 h60 r90
  text "8" at 3778,15.09 h60 r90
  text "9" at 3898,15.09 h60 r90
  text "10" at 4018,15.09 h60 r90
  text "11" at 4138,15.09 h60 r90
Internal Plane 1 (plane layer: these items are gaps in the copper):
  lines w59.06: 1720,3732 1419,3732 1182,3495 752,3495 627,3370 43,3370 43,3292 43,1999 434,1999 1507,1999 1507,2548.12 1444.49,2610.63 1444.49,2930.71 1444.49,3387.76 1584.73,3528 1728,3528 1728,3724 ; 32,638 32,1954 1486.22,1954 1486.22,1745.22 1435,1694 1435,1324.31 1435,714.08 1435,222 1267,222 1267,377 1006,638 32,638
Internal Plane 2 (plane layer: these items are gaps in the copper):
  lines w59.06: 1720,3732 1419,3732 1182,3495 752,3495 627,3370 43,3370 43,3292 43,1999 434,1999 1507,1999 1507,2548.12 1446.85,2608.27 1446.85,3385.83 1589.02,3528 1728,3528 1728,3724 ; 32,638 32,1954 1486.22,1954 1486.22,1745.22 1435,1694 1444.84,1324.31 1444.84,714.08 1435,222 1267,222 1267,377 1006,638 32,638

## Silkscreen, mask and mechanical layers (free items; w line width, h text height)
TopOverlay:
  drawing of 1239 lines, arcs and shapes, not listed
  text "BOT OUT" at 334.65,3651.57 h40
  text "TOP IN" at 324.8,3582.68 h40
  text "GND" at 866.14,3513.78 h39.37
  text "GND" at 2248,3001.97 h39.37
  text "IO1/IO0" at 679.13,2942.91 h50 r90
  text "MP" at 2283.46,2893.7 h39.37
  text "GND1" at 1407.48,2809.11 h39.37
  text "5V_1" at 1417.32,2730.37 h39.37
  text "MP" at 2391.73,2696.85 h39.37 r90
  text "SDA" at 2224.41,2647.64 h39.37 r90
  text "SCL" at 2309,2647.64 h39.37 r90
  text "OUT" at 2049,2323 h40
  text "IN" at 2054,2259 h40
  text "IO3/IO2" at 669,2159 h50 r90
  text "Termination" at 738.19,2037.4 h40 r90
  text "0O1" at 777.56,1978.35 h40
  text "IO1" at 895.67,1978.35 h40
  text "IO2" at 1033.46,1954 h40
  text "IO3" at 1151.57,1954 h40
  text "IO0-3" at 1883,1897 h40 r90
  text "IO4-7" at 1960,1888 h40 r90
  text "IO4" at 757.87,1683.07 h40
  text "IO5" at 885.83,1683.07 h40
  text "IO6" at 1013.78,1683.07 h40
  text "IO7" at 1141.73,1683.07 h40
  text "IO7/IO6" at 694,1369 h50 r90
  text "Termination" at 757.87,1250 h40 r90
  text "5V_2" at 1427.17,1210.63 h39.37
  text "GND2" at 1476.38,1043.31 h39.37 r90
  text "TO KASLI/METLINO VHDCI" at 2049,958 h40 r90
  text "IO5/IO4" at 679.13,787.4 h50 r90
  text "3.3V" at 1758.38,648.7 h39.37
  text "3.3" at 1791.34,551.18 h39.37
  text "12V" at 1584,176 h39.37
  text "BOT OUT" at 266,97 h40
  text "12V" at 1958.66,68.9 h39.37
  text "GND" at 2086.61,68.9 h39.37
  text "DIO-BNC v1.2" at 921,40 h80
  text "TOP IN" at 271,32 h40
BottomOverlay:
  drawing of 1237 lines, arcs and shapes, not listed
  text "DIO-BNC v1.2" at 1820,37 h80
Mechanical1:
  the board outline again, w20
Mechanical8:
  lines w3.94: -100.16,-602.13 -100.16,4494.56
Mechanical13:
  lines w1: -198.58,-560.56 -198.58,4611.58

## Dimensions
-20,217 to 0,0 on Mechanical4

## Text inside footprints (layer, text, board x,y; h text height)
IC12: Mechanical14 "6" at 1186.5,1895.94 h59.06 r270; Mechanical14 "1" at 1687.8,1890.94 h59.06 r270
IC31: Mechanical14 "6" at 1415.17,3685.92 h59.06 r270; Mechanical14 "1" at 1916.47,3680.92 h59.06 r270
J37: TopOverlay "30" at 2349,675 h40 r270; Mechanical14 "30" at 2349,675 h40 r270
SW1: TopOverlay "4" at 1129.09,2129.25 h39.37; TopOverlay "3" at 1029.09,2129.25 h39.37; TopOverlay "ON" at 809.09,2304.25 h39.37; TopOverlay "2" at 929.09,2129.25 h39.37; TopOverlay "1" at 839.09,2129.25 h39.37; Mechanical14 "4" at 1129.09,2129.25 h39.37; Mechanical14 "3" at 1029.09,2129.25 h39.37; Mechanical14 "ON" at 809.09,2304.25 h39.37; Mechanical14 "2" at 929.09,2129.25 h39.37; Mechanical14 "1" at 839.09,2129.25 h39.37
SW2: TopOverlay "4" at 1138.94,1351.69 h39.37; TopOverlay "3" at 1038.94,1351.69 h39.37; TopOverlay "ON" at 818.94,1526.69 h39.37; TopOverlay "2" at 938.94,1351.69 h39.37; TopOverlay "1" at 848.94,1351.69 h39.37; Mechanical14 "4" at 1138.94,1351.69 h39.37; Mechanical14 "3" at 1038.94,1351.69 h39.37; Mechanical14 "ON" at 818.94,1526.69 h39.37; Mechanical14 "2" at 938.94,1351.69 h39.37; Mechanical14 "1" at 848.94,1351.69 h39.37
SW9: TopOverlay "ON" at 1818,2366 h39.37; TopOverlay "2" at 1938,2191 h39.37; TopOverlay "1" at 1848,2191 h39.37; Mechanical14 "ON" at 1818,2366 h39.37; Mechanical14 "2" at 1938,2191 h39.37; Mechanical14 "1" at 1848,2191 h39.37